# Altium PCB PCB1.PcbDoc (part 1 of 2)
Units mil, origin at the board's own origin, x right, y up, seen from the top; angles counter-clockwise.
Board outline 4000 x 4000 mil, 4 copper layers (Top Layer, Middle Layer 1, Middle Layer 2, Bottom Layer), stack 23.8 mil thick; 93 components, 125 nets, 496 pads, 168 vias.
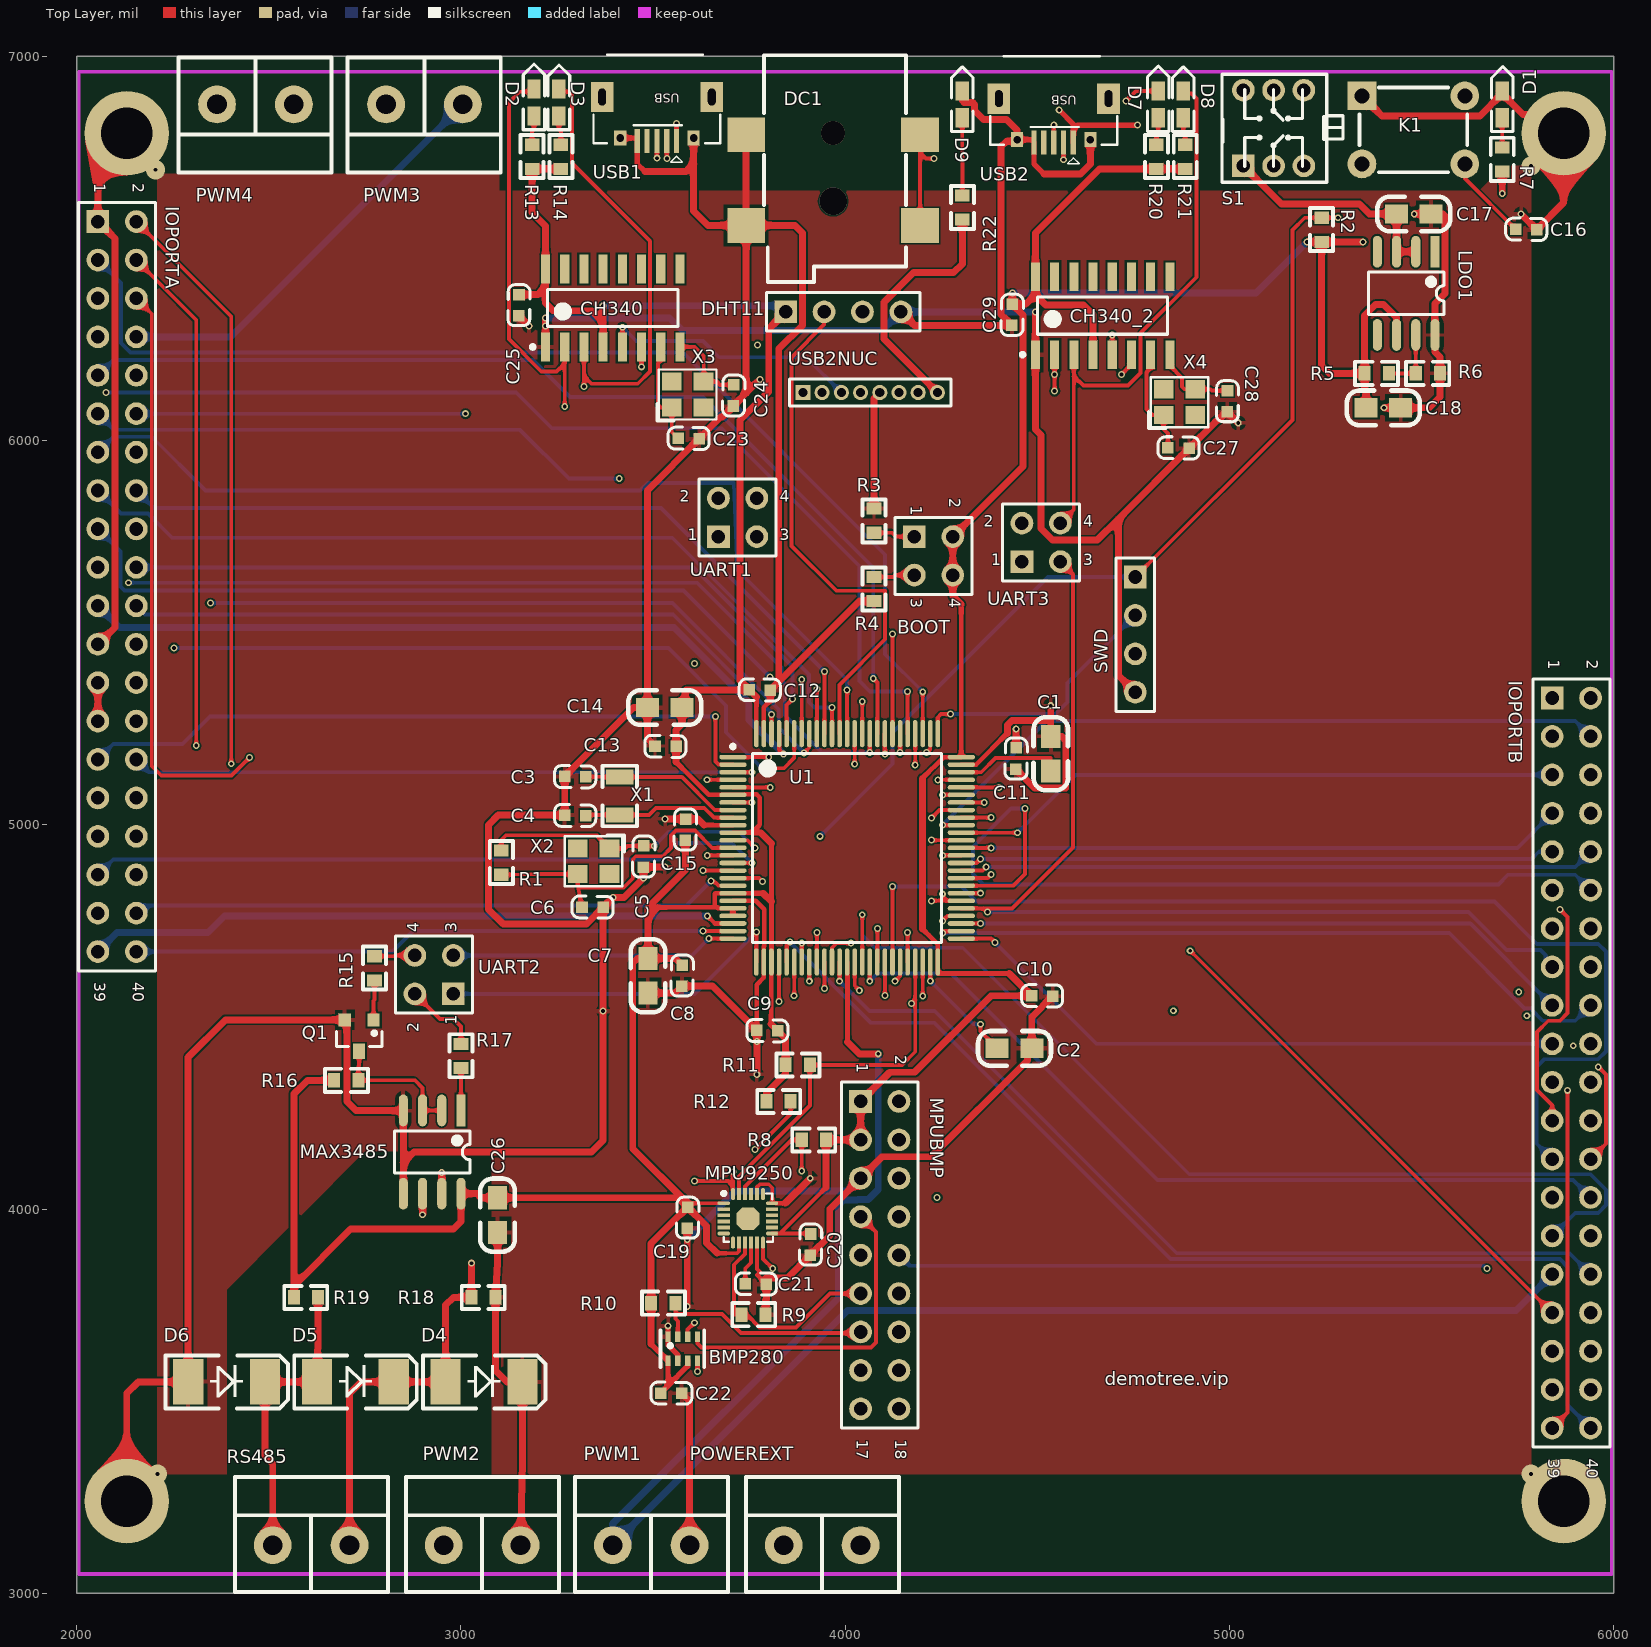
[diagram p0: Top Layer view]
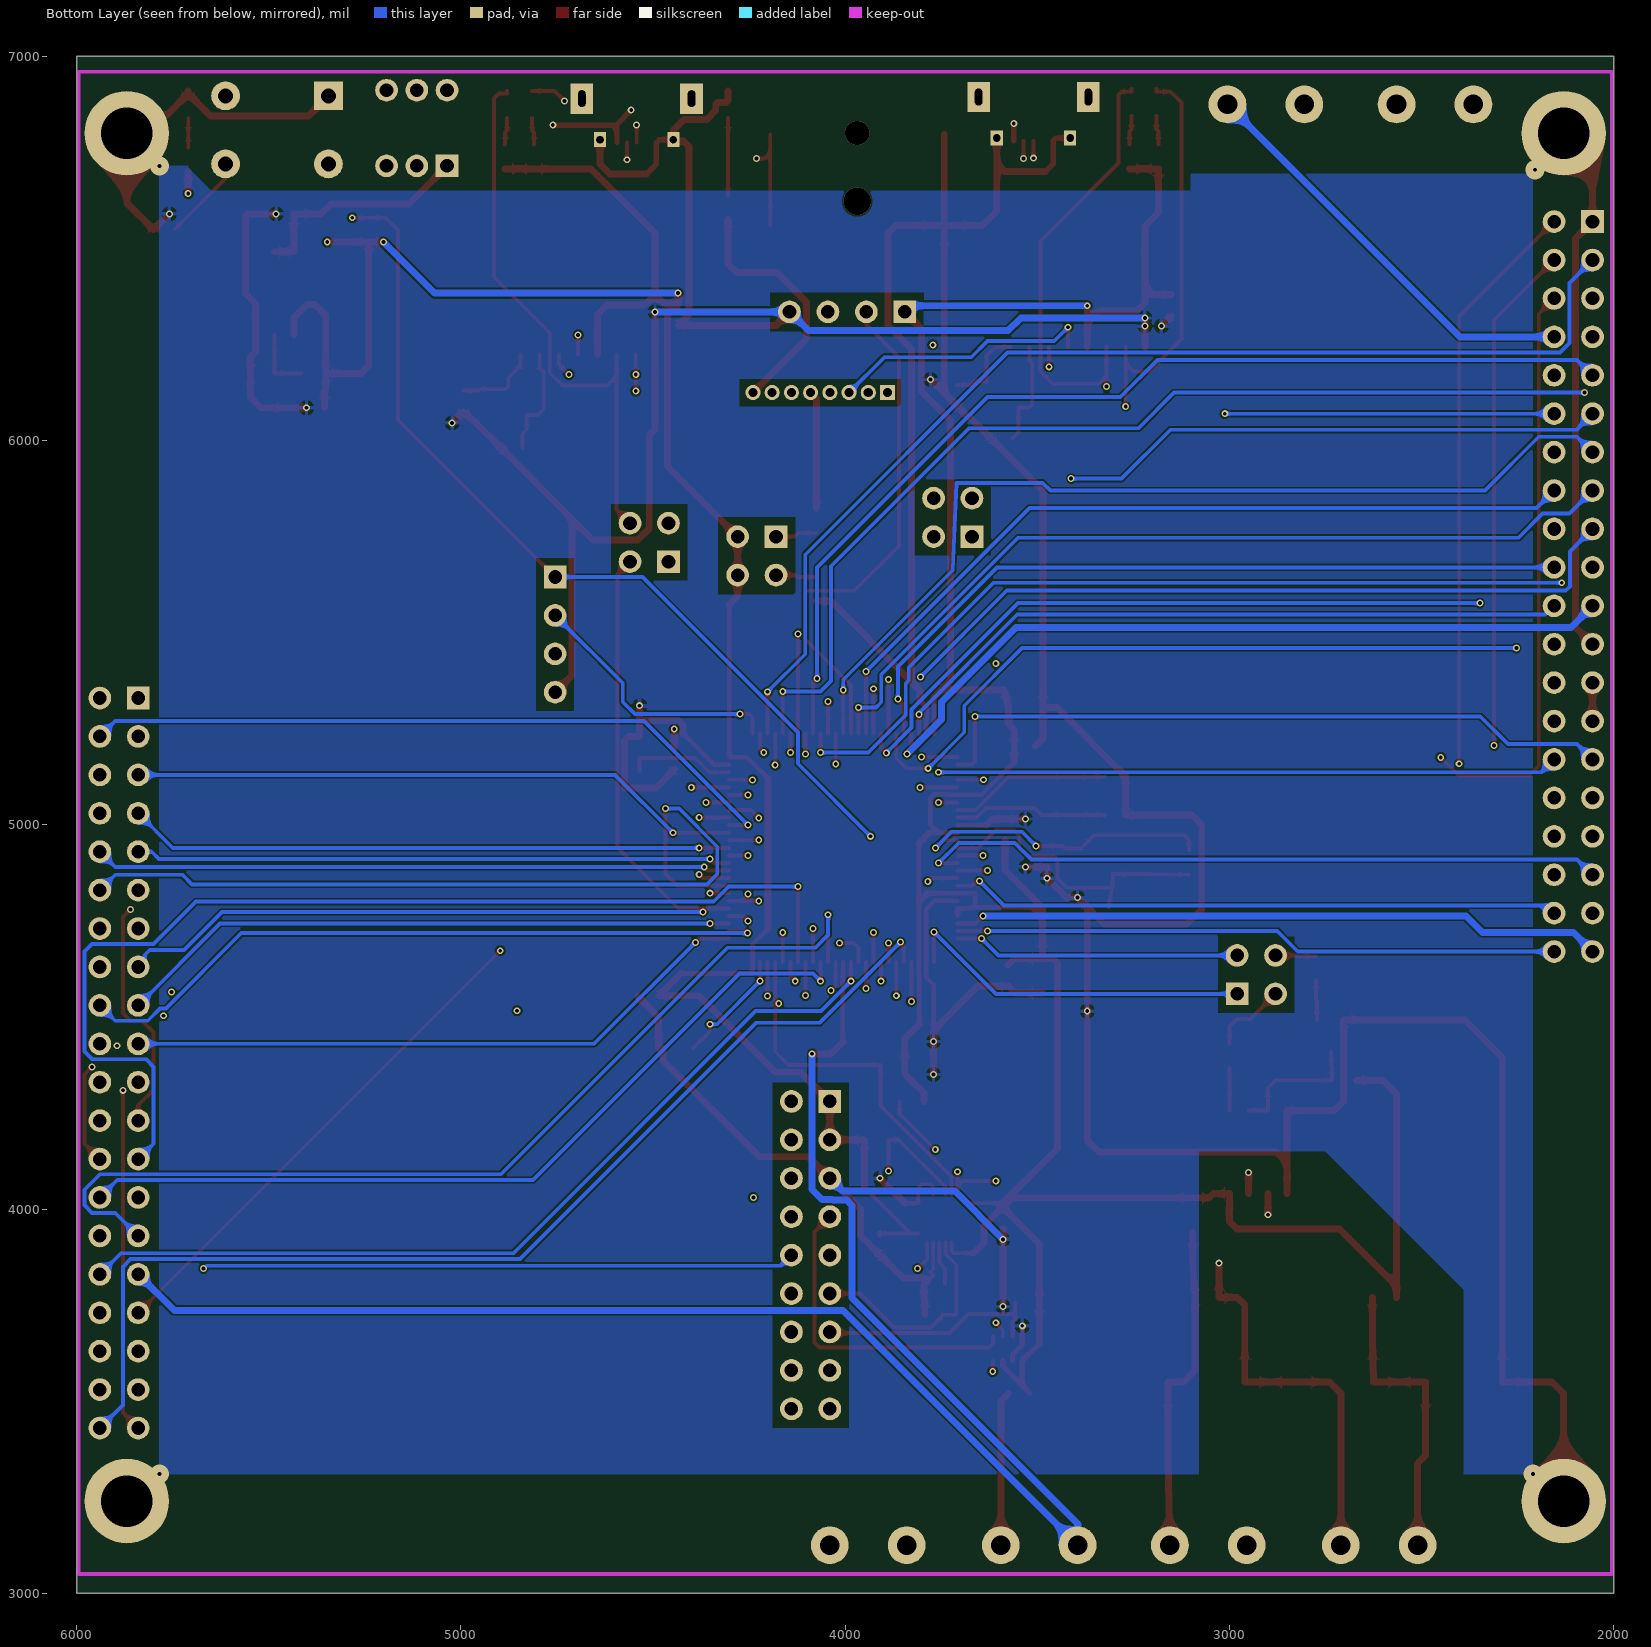
[diagram p1: Bottom Layer view, seen from below]
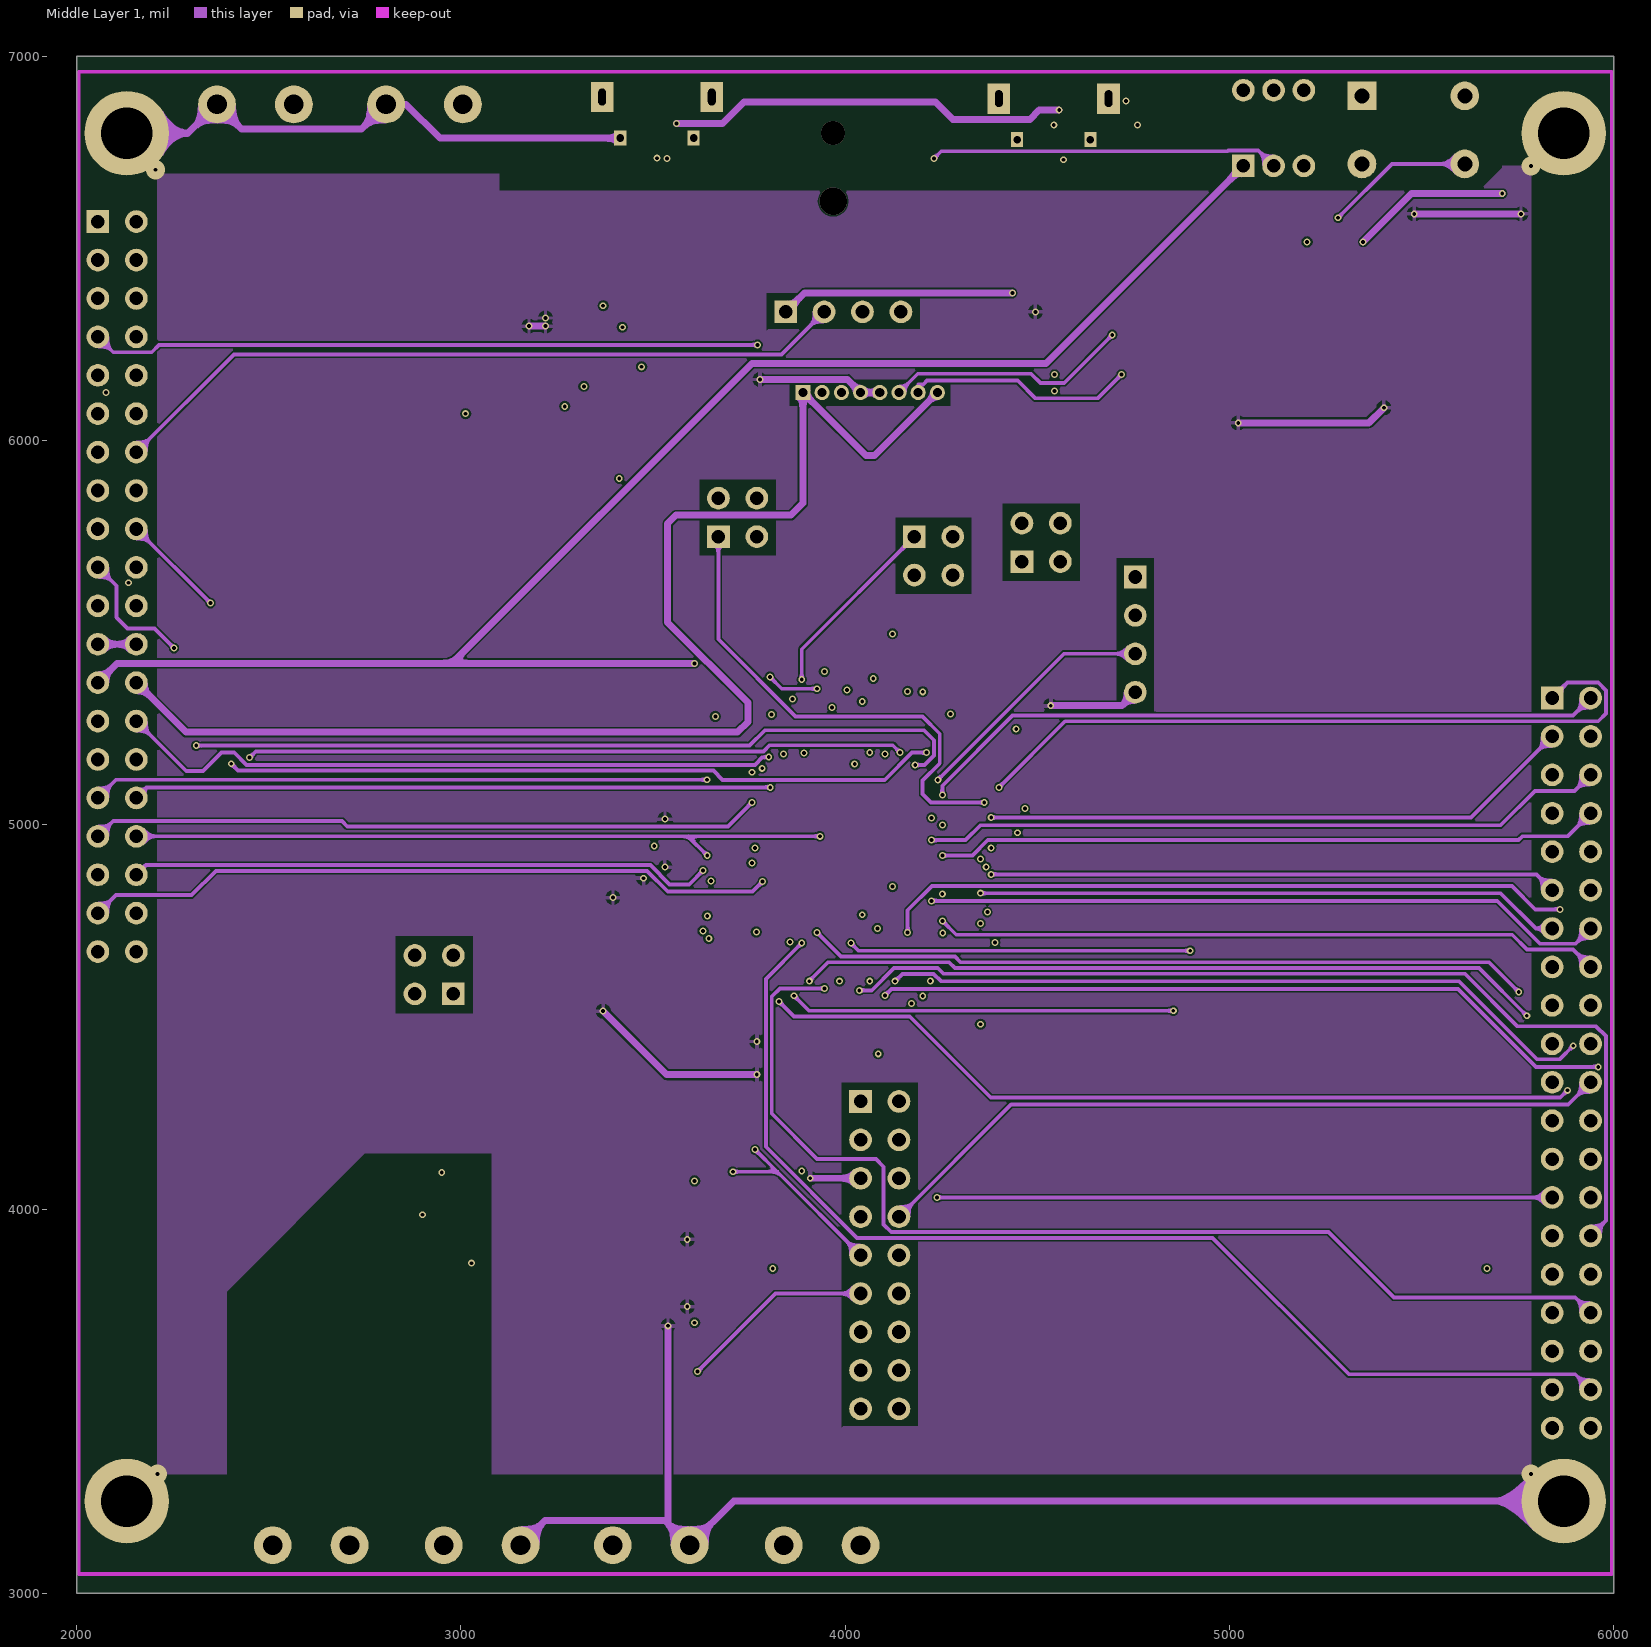
[diagram p2: Middle Layer 1]
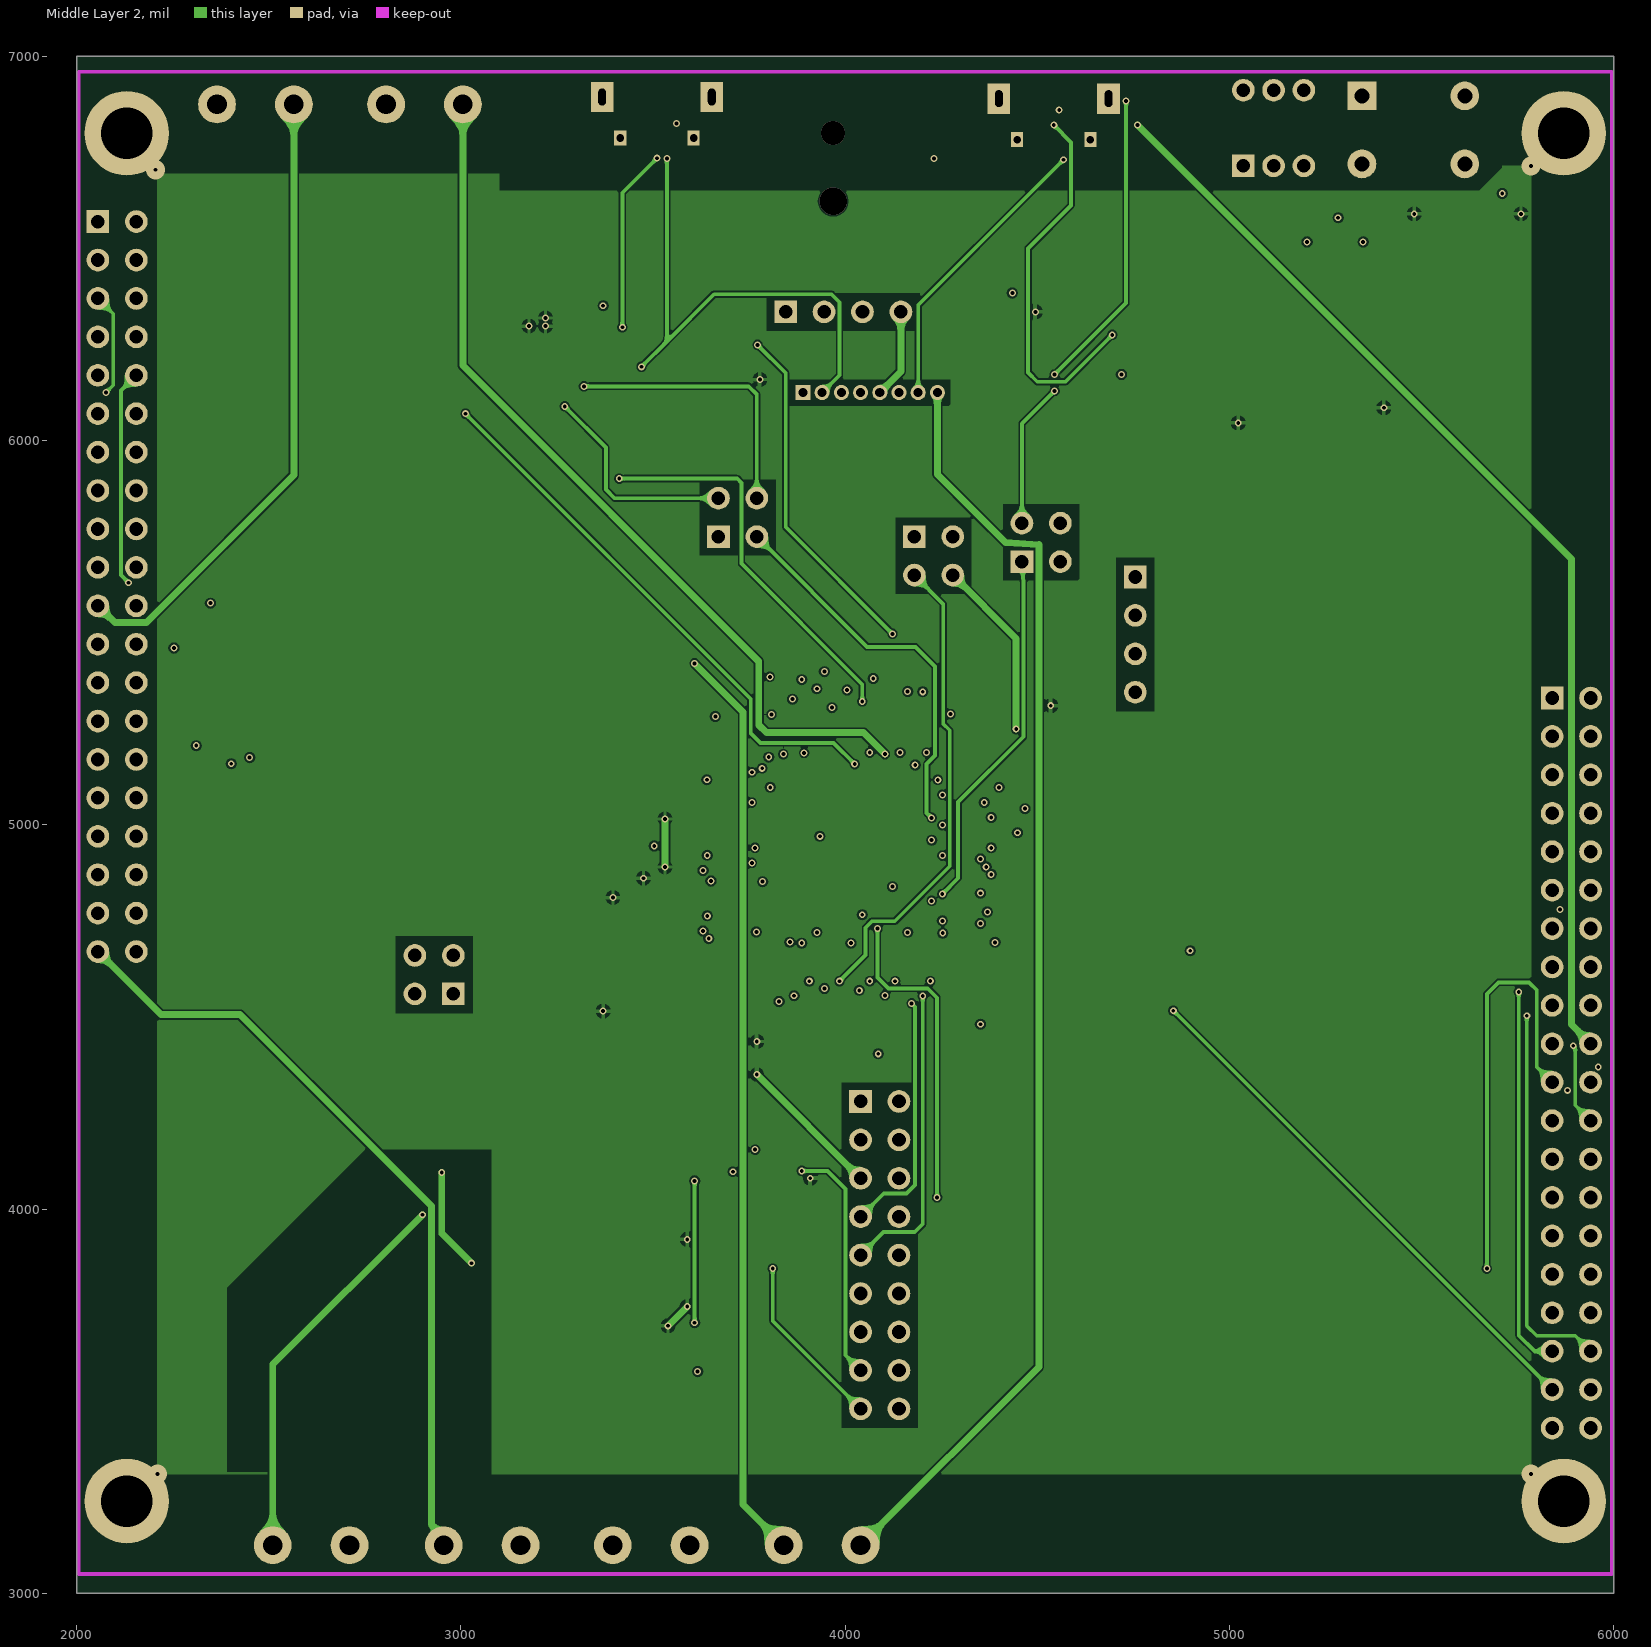
[diagram p3: Middle Layer 2]
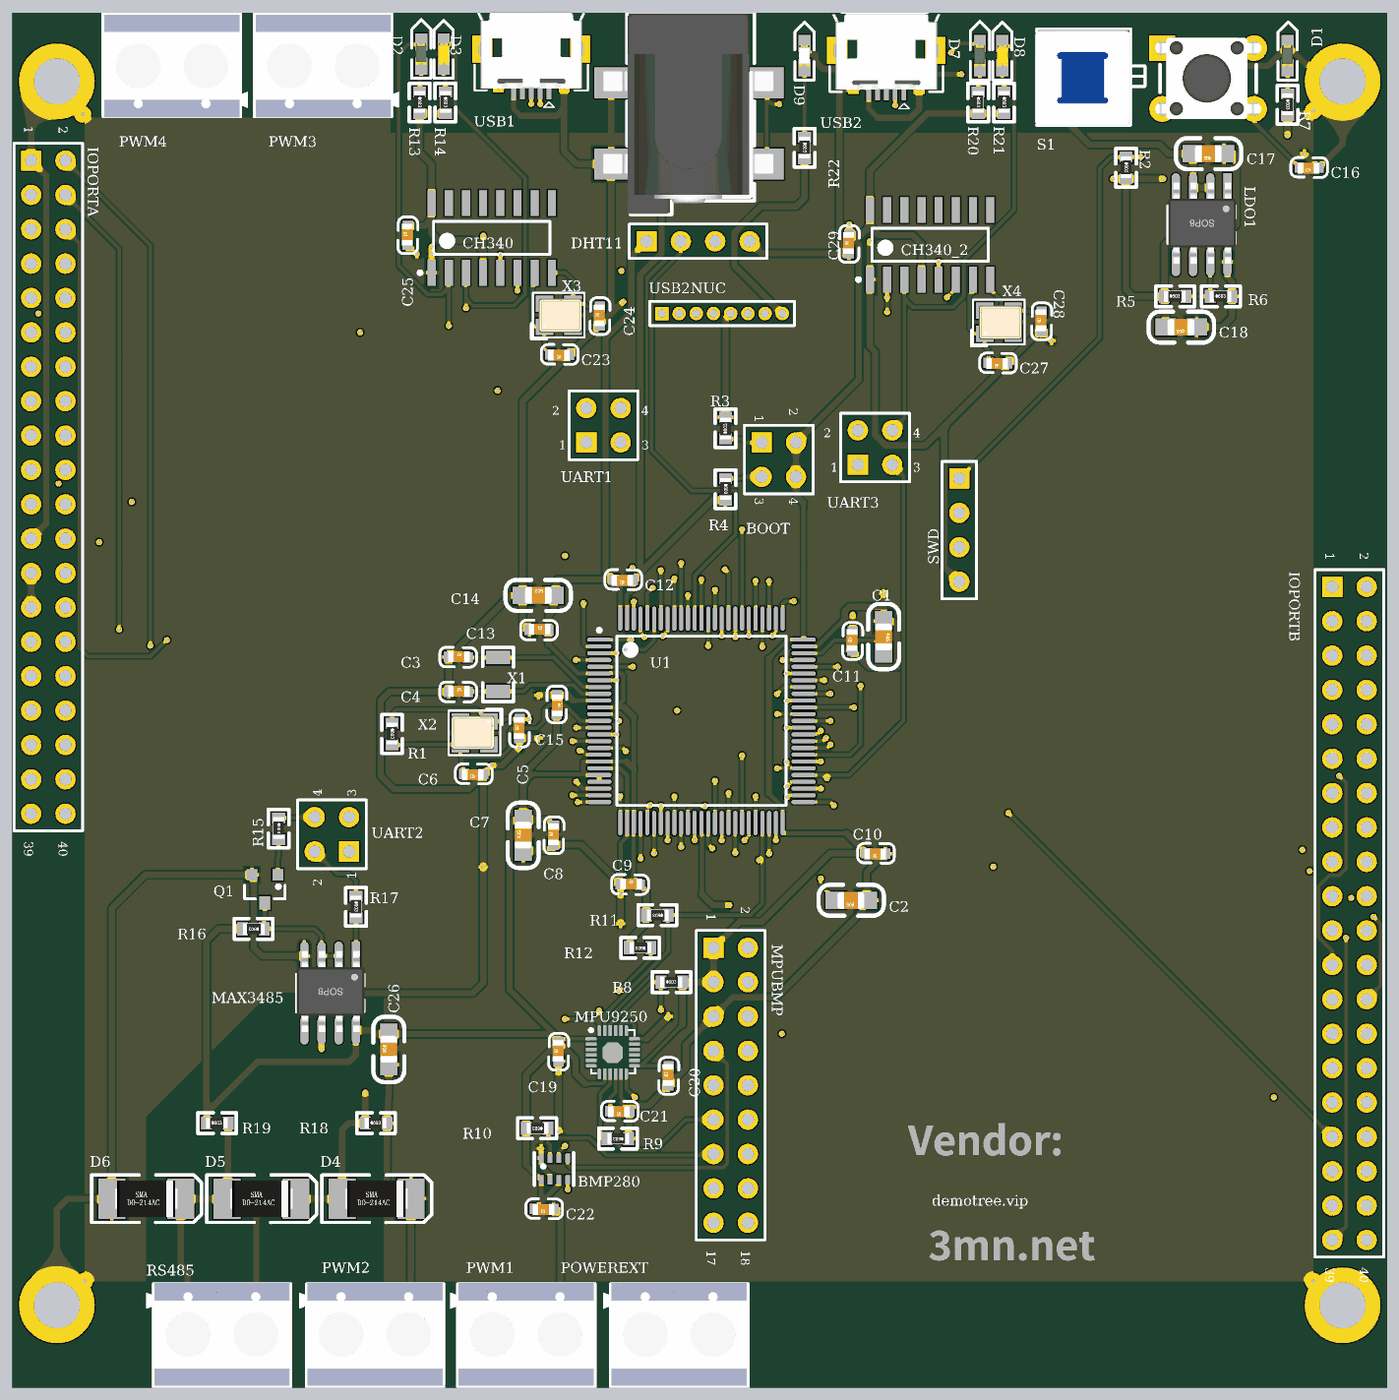
[diagram p5: 3D render of the assembled board from above, using the file's embedded part models]

## Layer stack, top to bottom
Top Solder: solder mask 0.4, Solder Resist, Dk 3.5
Top Layer: signal copper 1.4
Dielectric 2: prepreg 2.8, PP-006, Dk 4.1
Middle Layer 1: signal copper 1.4
Dielectric 1: dielectric 12.6, FR-4, Dk 4.8
Middle Layer 2: signal copper 1.4
Dielectric 3: prepreg 2.8, PP-006, Dk 4.1
Bottom Layer: signal copper 1.4
Bottom Solder: solder mask 0.4, Solder Resist, Dk 3.5

## Board outline
2000,3000 6000,3000 6000,7000 2000,7000

## Design rules (kind name [scope] priority, off if disabled: settings)
Clearance [All] p1: gap=5 ignorepadtopadclearanceinfootprint=TRUE
HoleSize [All] p1: absolutevalues=TRUE maxlimit=500 minlimit=10 maxpercent=80.000 minpercent=20.000
MinimumSolderMaskSliver [All] p1: minsoldermaskwidth=0
PolygonConnect [All] p1: connectstyle=Relief reliefconductorwidth=10 reliefentries=4 polygonreliefangle="90 Angle" airgapwidth=10
RoutingCorners [All] p1: cornerstyle=45-Degree minsetback=180 maxsetback=500
RoutingVias [All] p1: holewidth=10 width=18 viastyle="Through Hole" minholewidth=10 minwidth=18 maxholewidth=180 maxwidth=300
SMDNeckDown [All] p1: percent=100.000
ShortCircuit K1 [All] p1: allowed=FALSE
ShortCircuit [All] p2: allowed=FALSE
SilkToSilkClearance [All] p1: silktosilkclearance=0
SilkToSolderMaskClearance [IsPad] p1: minsilkscreentomaskgap=0 clearancetoexposedcopper=TRUE
SolderMaskExpansion [All] p1: expansion=4
Width 4851 [InNet('NetD5_A')] p1: maxlimit=20 minlimit=5 preferedwidth=18
Width 4852 [InNet('NetD4_A')] p2: maxlimit=20 minlimit=5 preferedwidth=18
Width TIM1_ETR [InNet('TIM1_ETR')] p3: maxlimit=20 minlimit=5 preferedwidth=18
Width TIM4_ETR [InNet('TIM4_ETR')] p4: maxlimit=20 minlimit=5 preferedwidth=18
Width TIM3_ETR [InNet('TIM3_ETR')] p5: maxlimit=20 minlimit=5 preferedwidth=18
Width TIM2_ETR [InNet('TIM2_ETR')] p6: maxlimit=20 minlimit=5 preferedwidth=18
Width GND [InNet('GND')] p7: maxlimit=20 minlimit=5 preferedwidth=18
Width V33 [InNet('V33')] p8: maxlimit=20 minlimit=5 preferedwidth=18
Width VUSB_2 [InNet('VUSB_2')] p9: maxlimit=20 minlimit=8 preferedwidth=18
Width VNUC5 [InNet('VNUC5')] p10: maxlimit=20 minlimit=8 preferedwidth=18
Width +5 [InNet('+5')] p11: maxlimit=20 minlimit=8 preferedwidth=18
Width [All] p12: maxlimit=20 minlimit=5 preferedwidth=10
24 further rules are at their usual default settings.

## Components (designator, comment, footprint, x,y, rotation, side; value= is the part's Value field where it differs from the comment)
BMP280 "BMP280" LGA8-BOSCH 3617.56,3667.99 r90 top